# Altium PCB BytePipe_x9002_HDK_Rev2.PcbDoc (part 1 of 5) (continued)
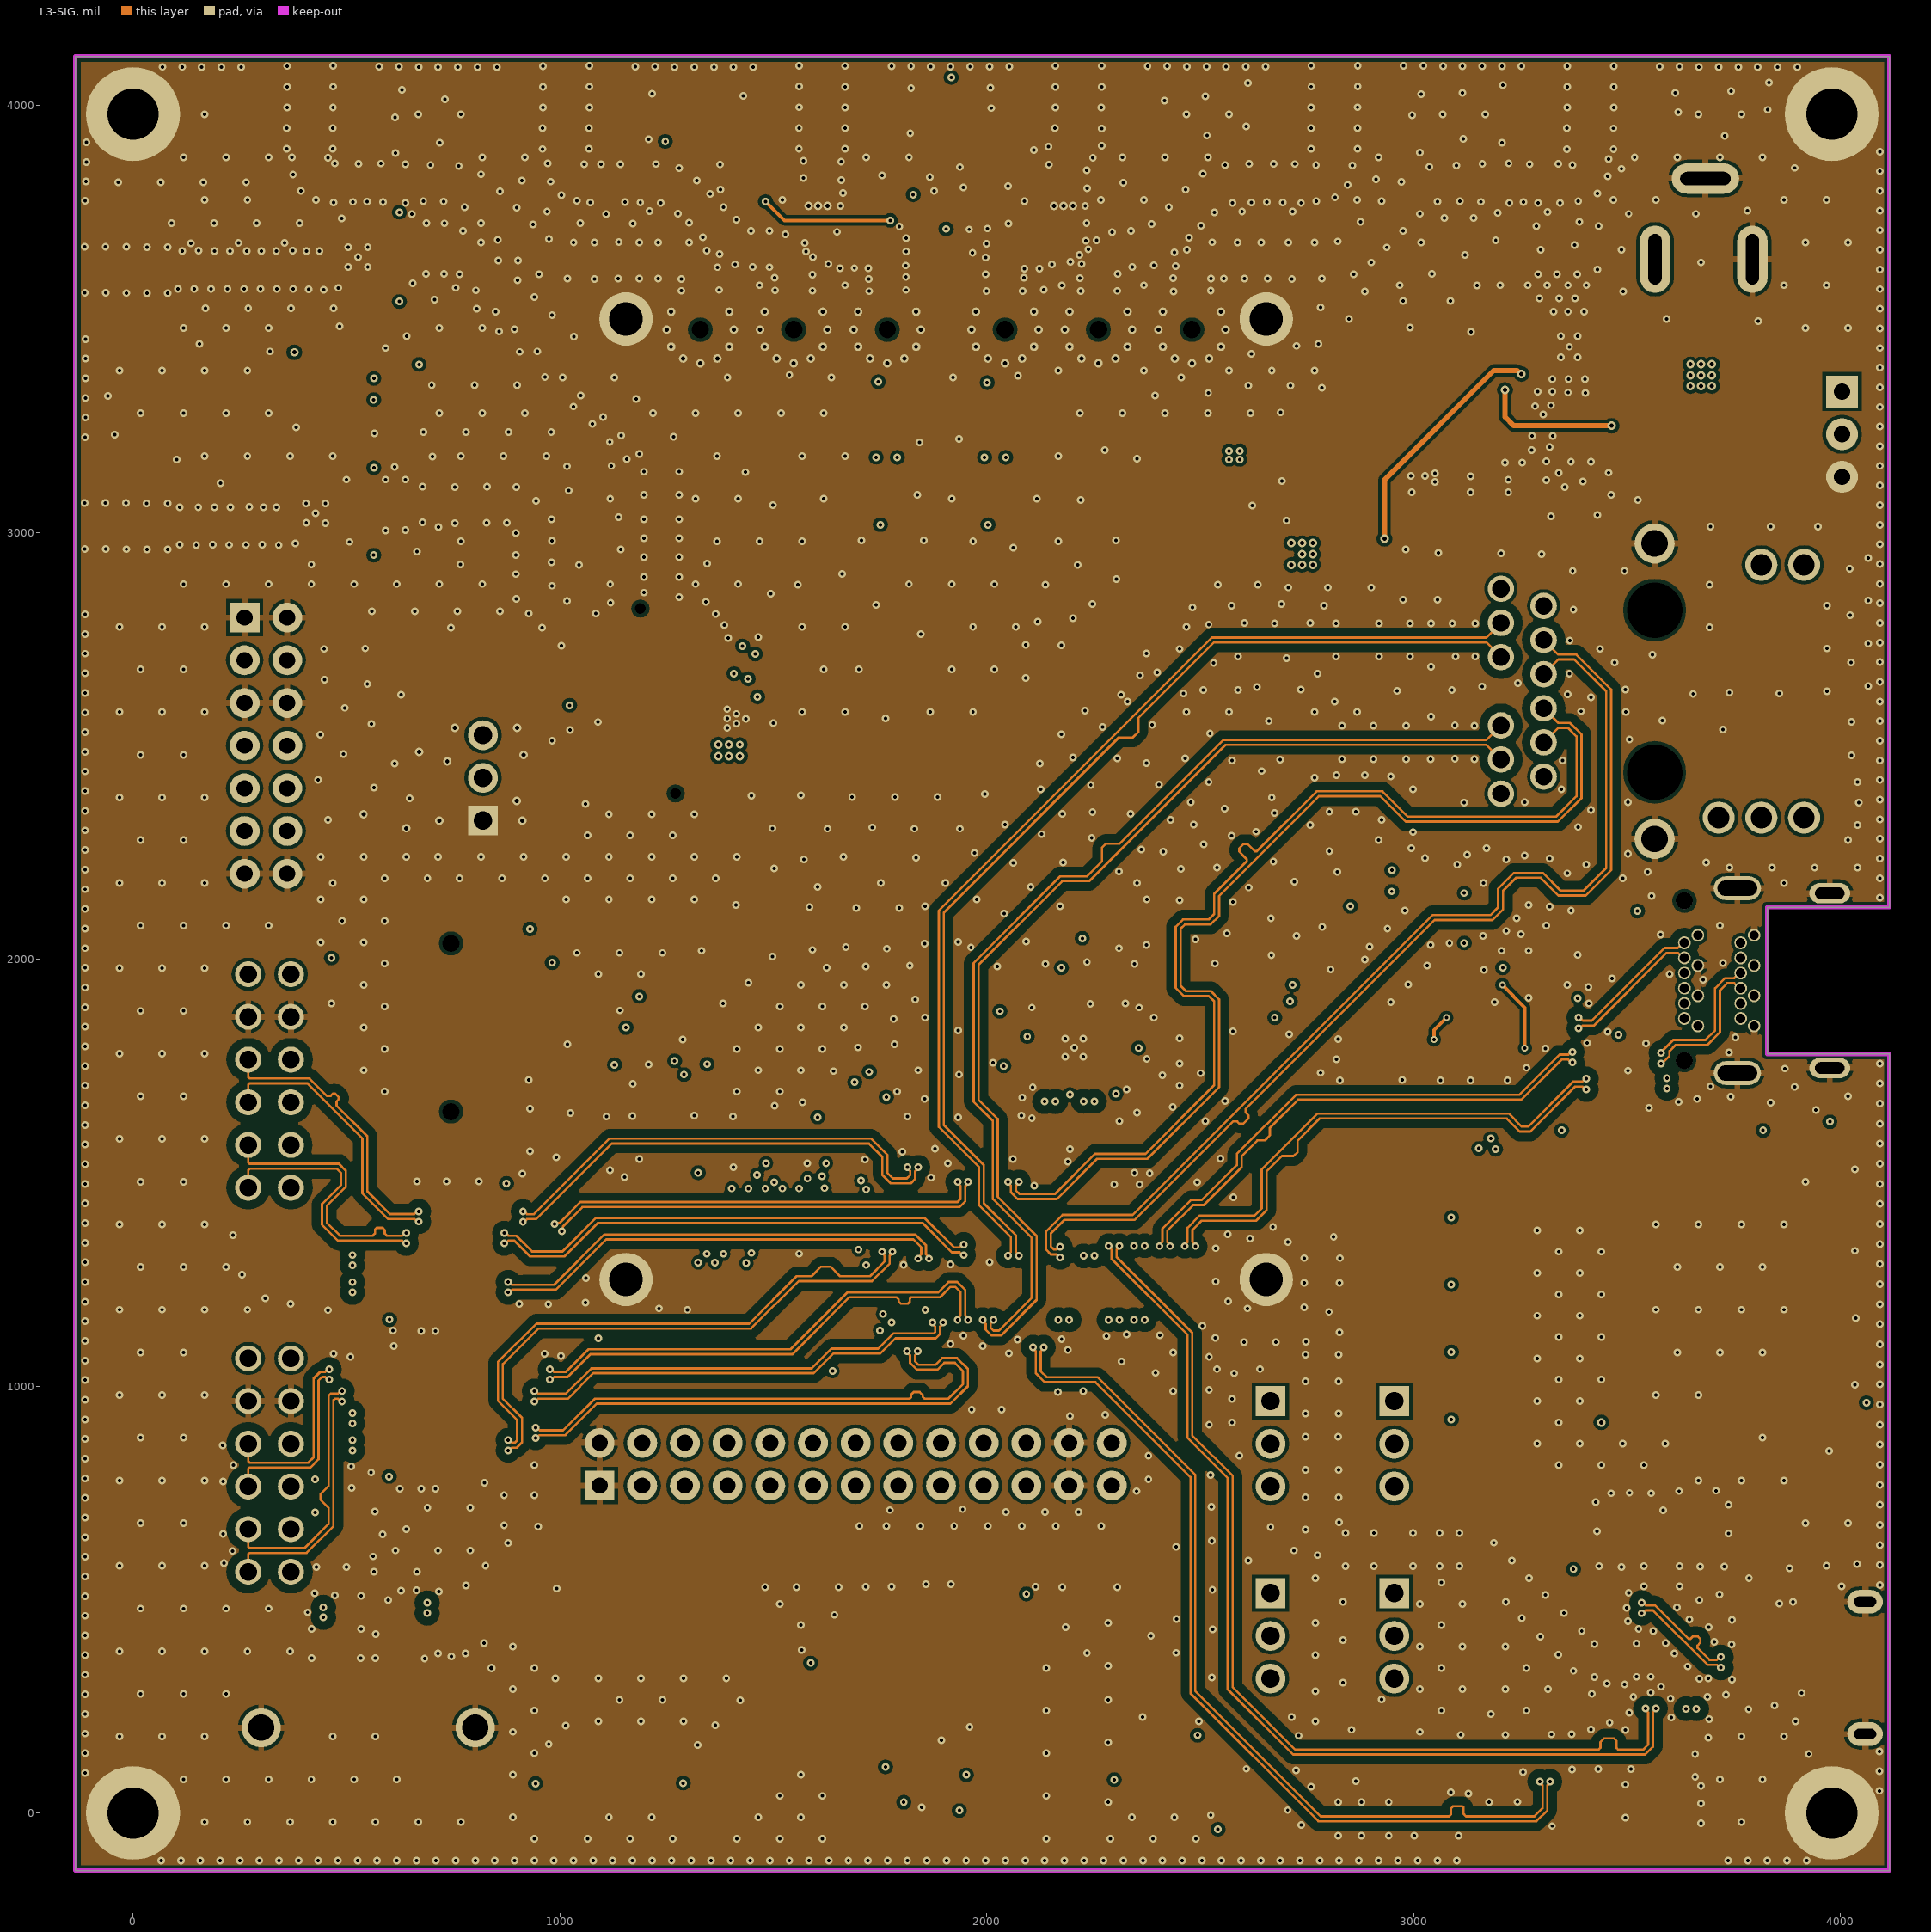
[diagram p3: L3-SIG]
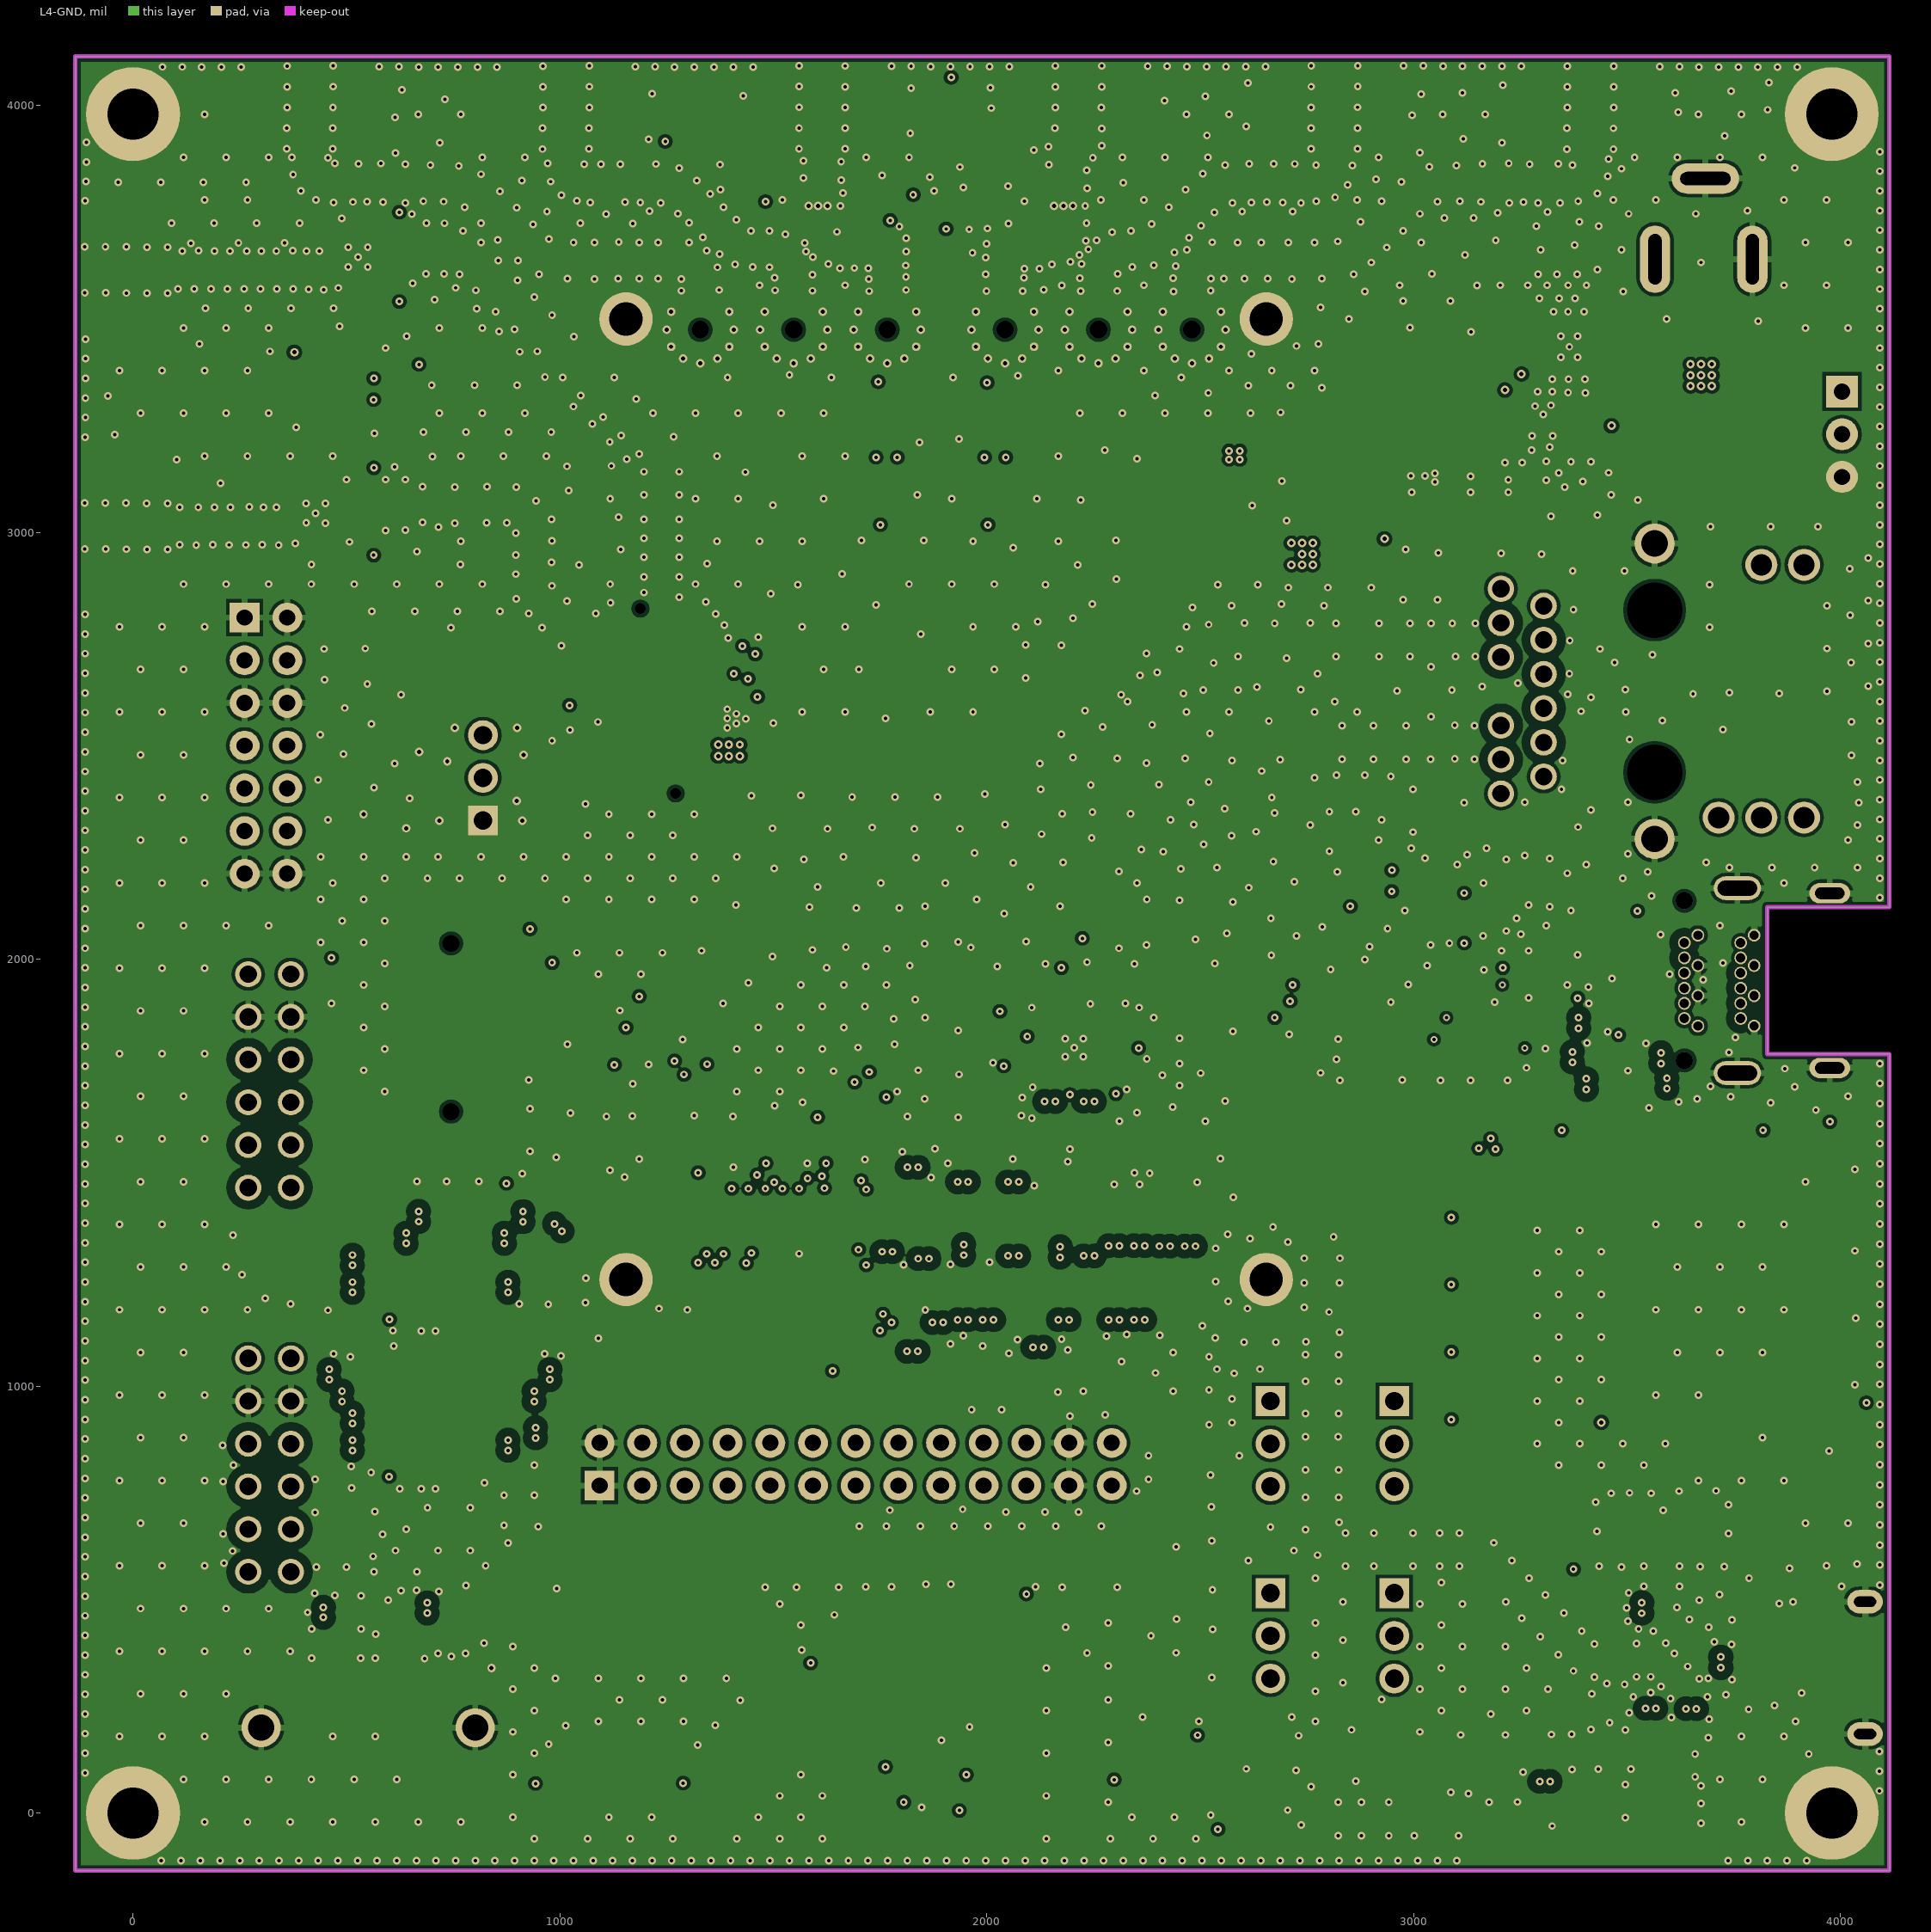
[diagram p4: L4-GND]
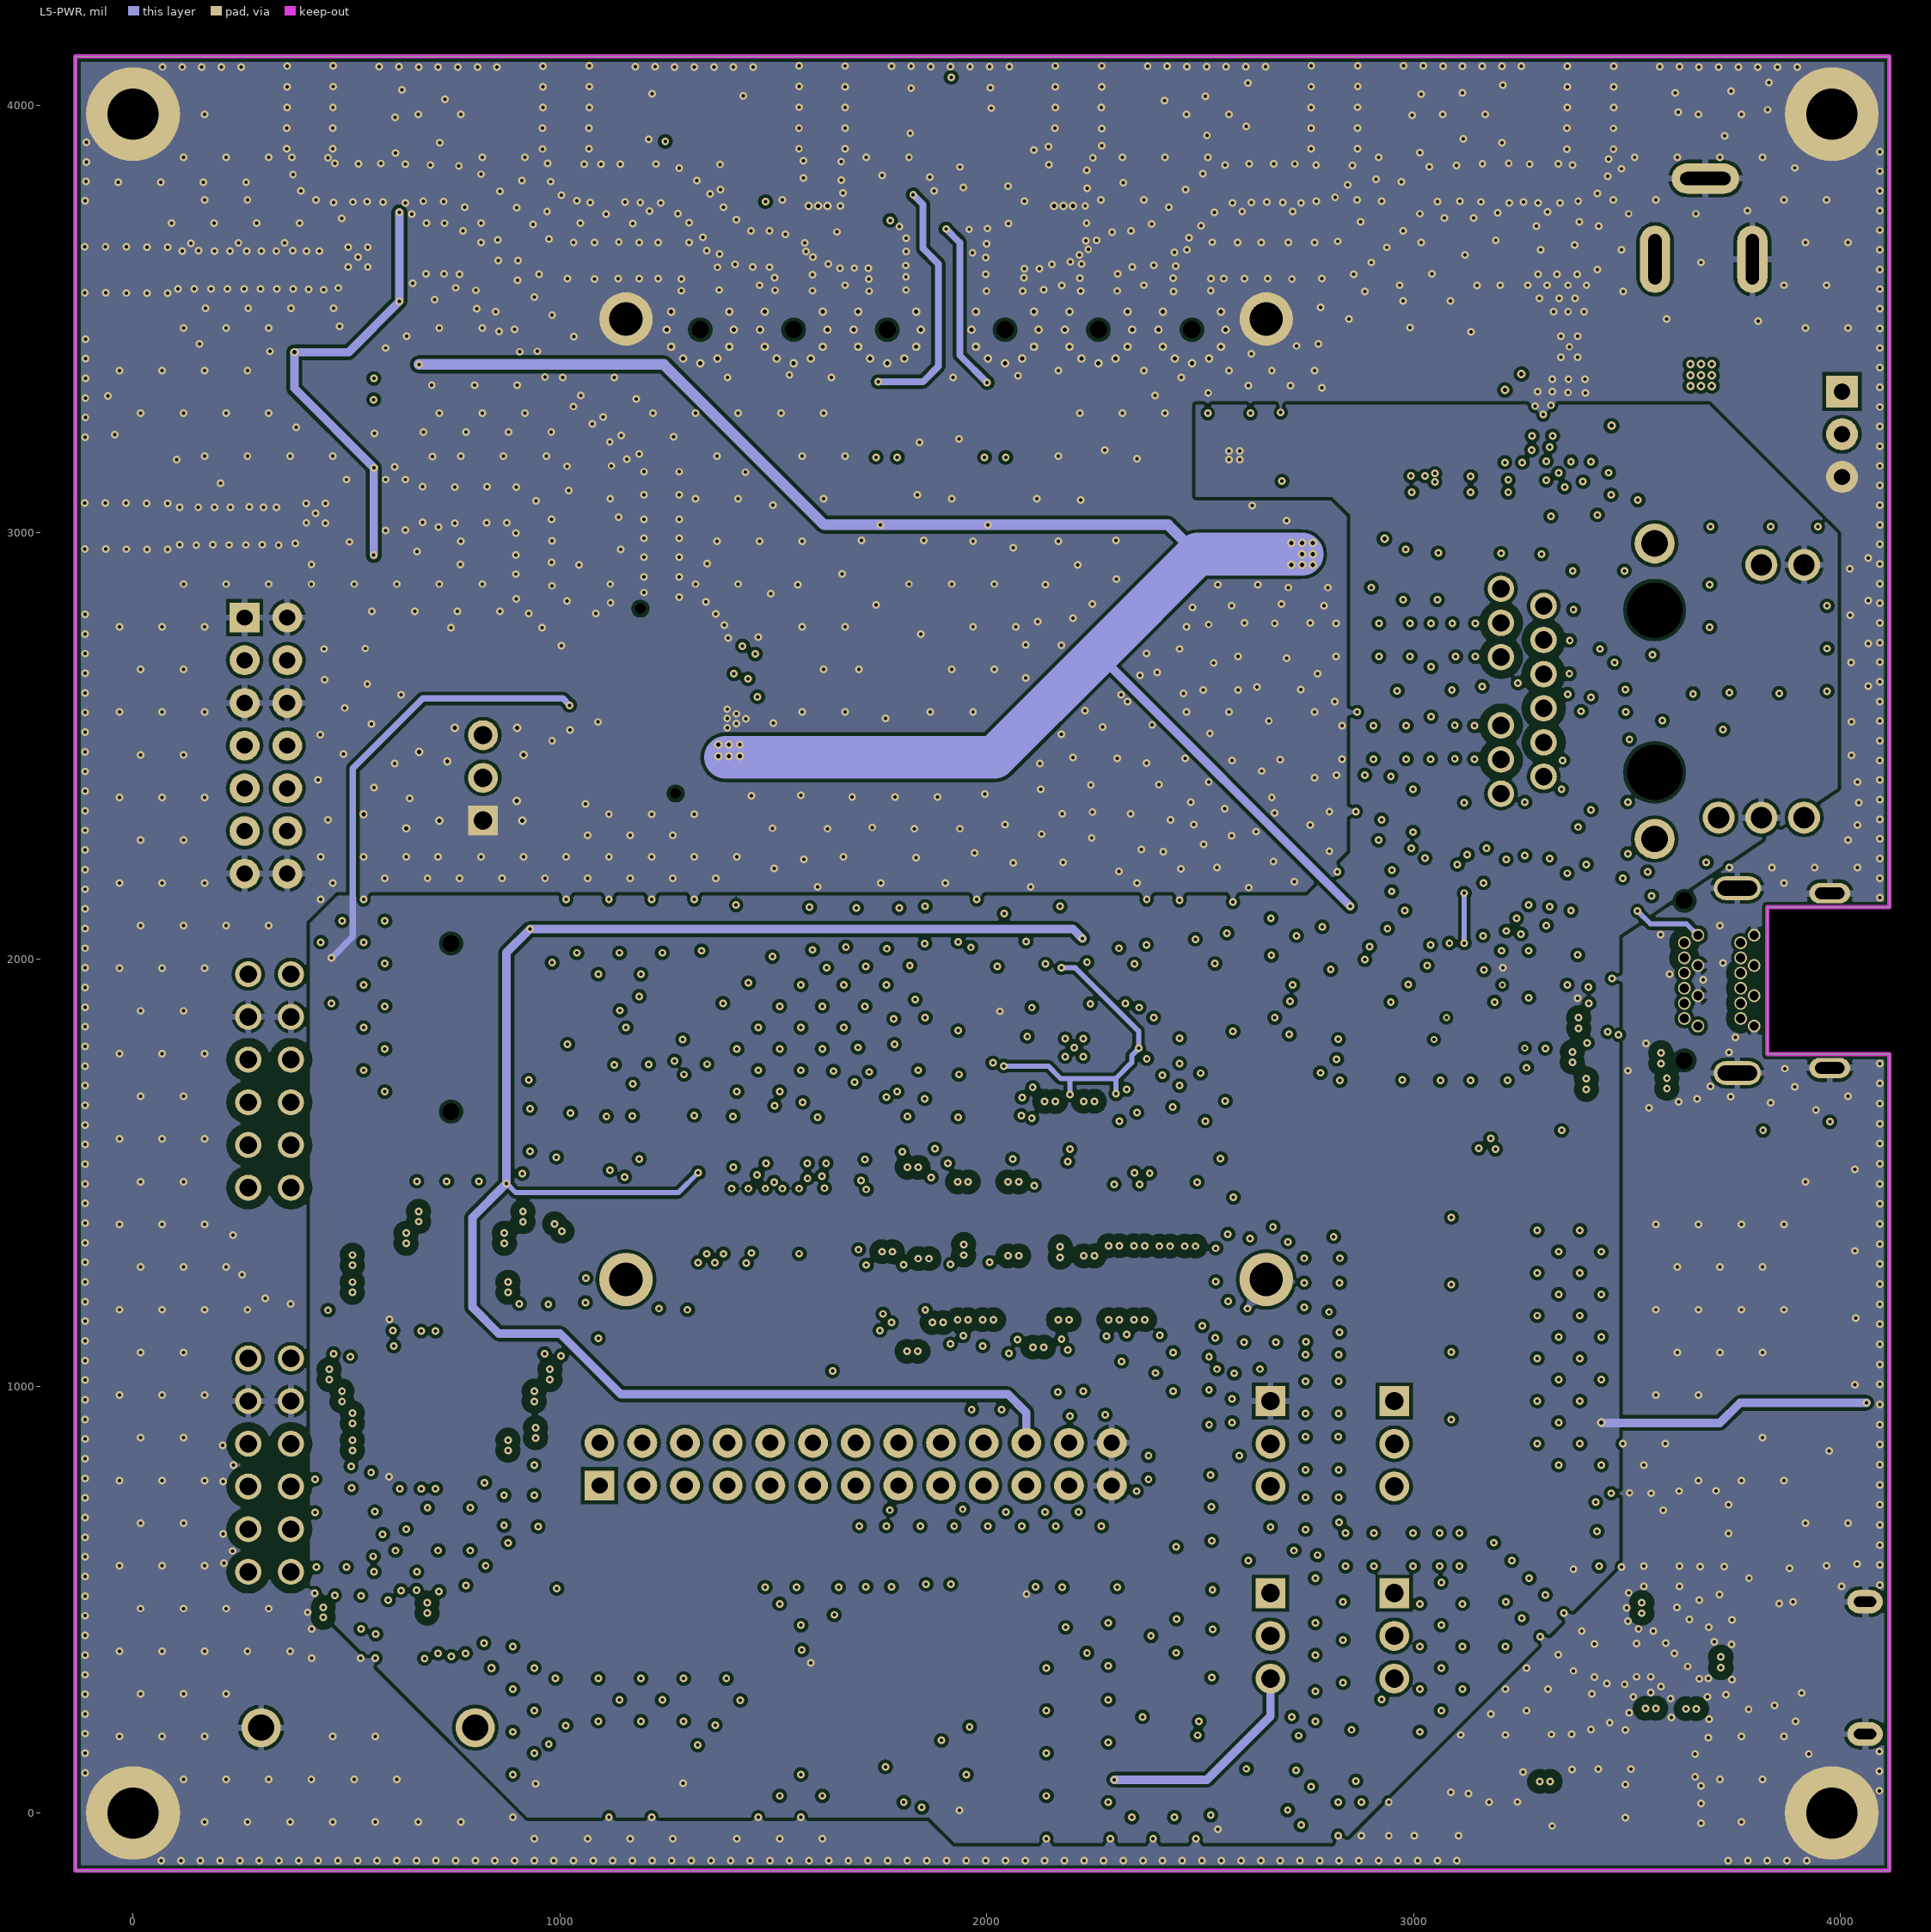
[diagram p5: L5-PWR]
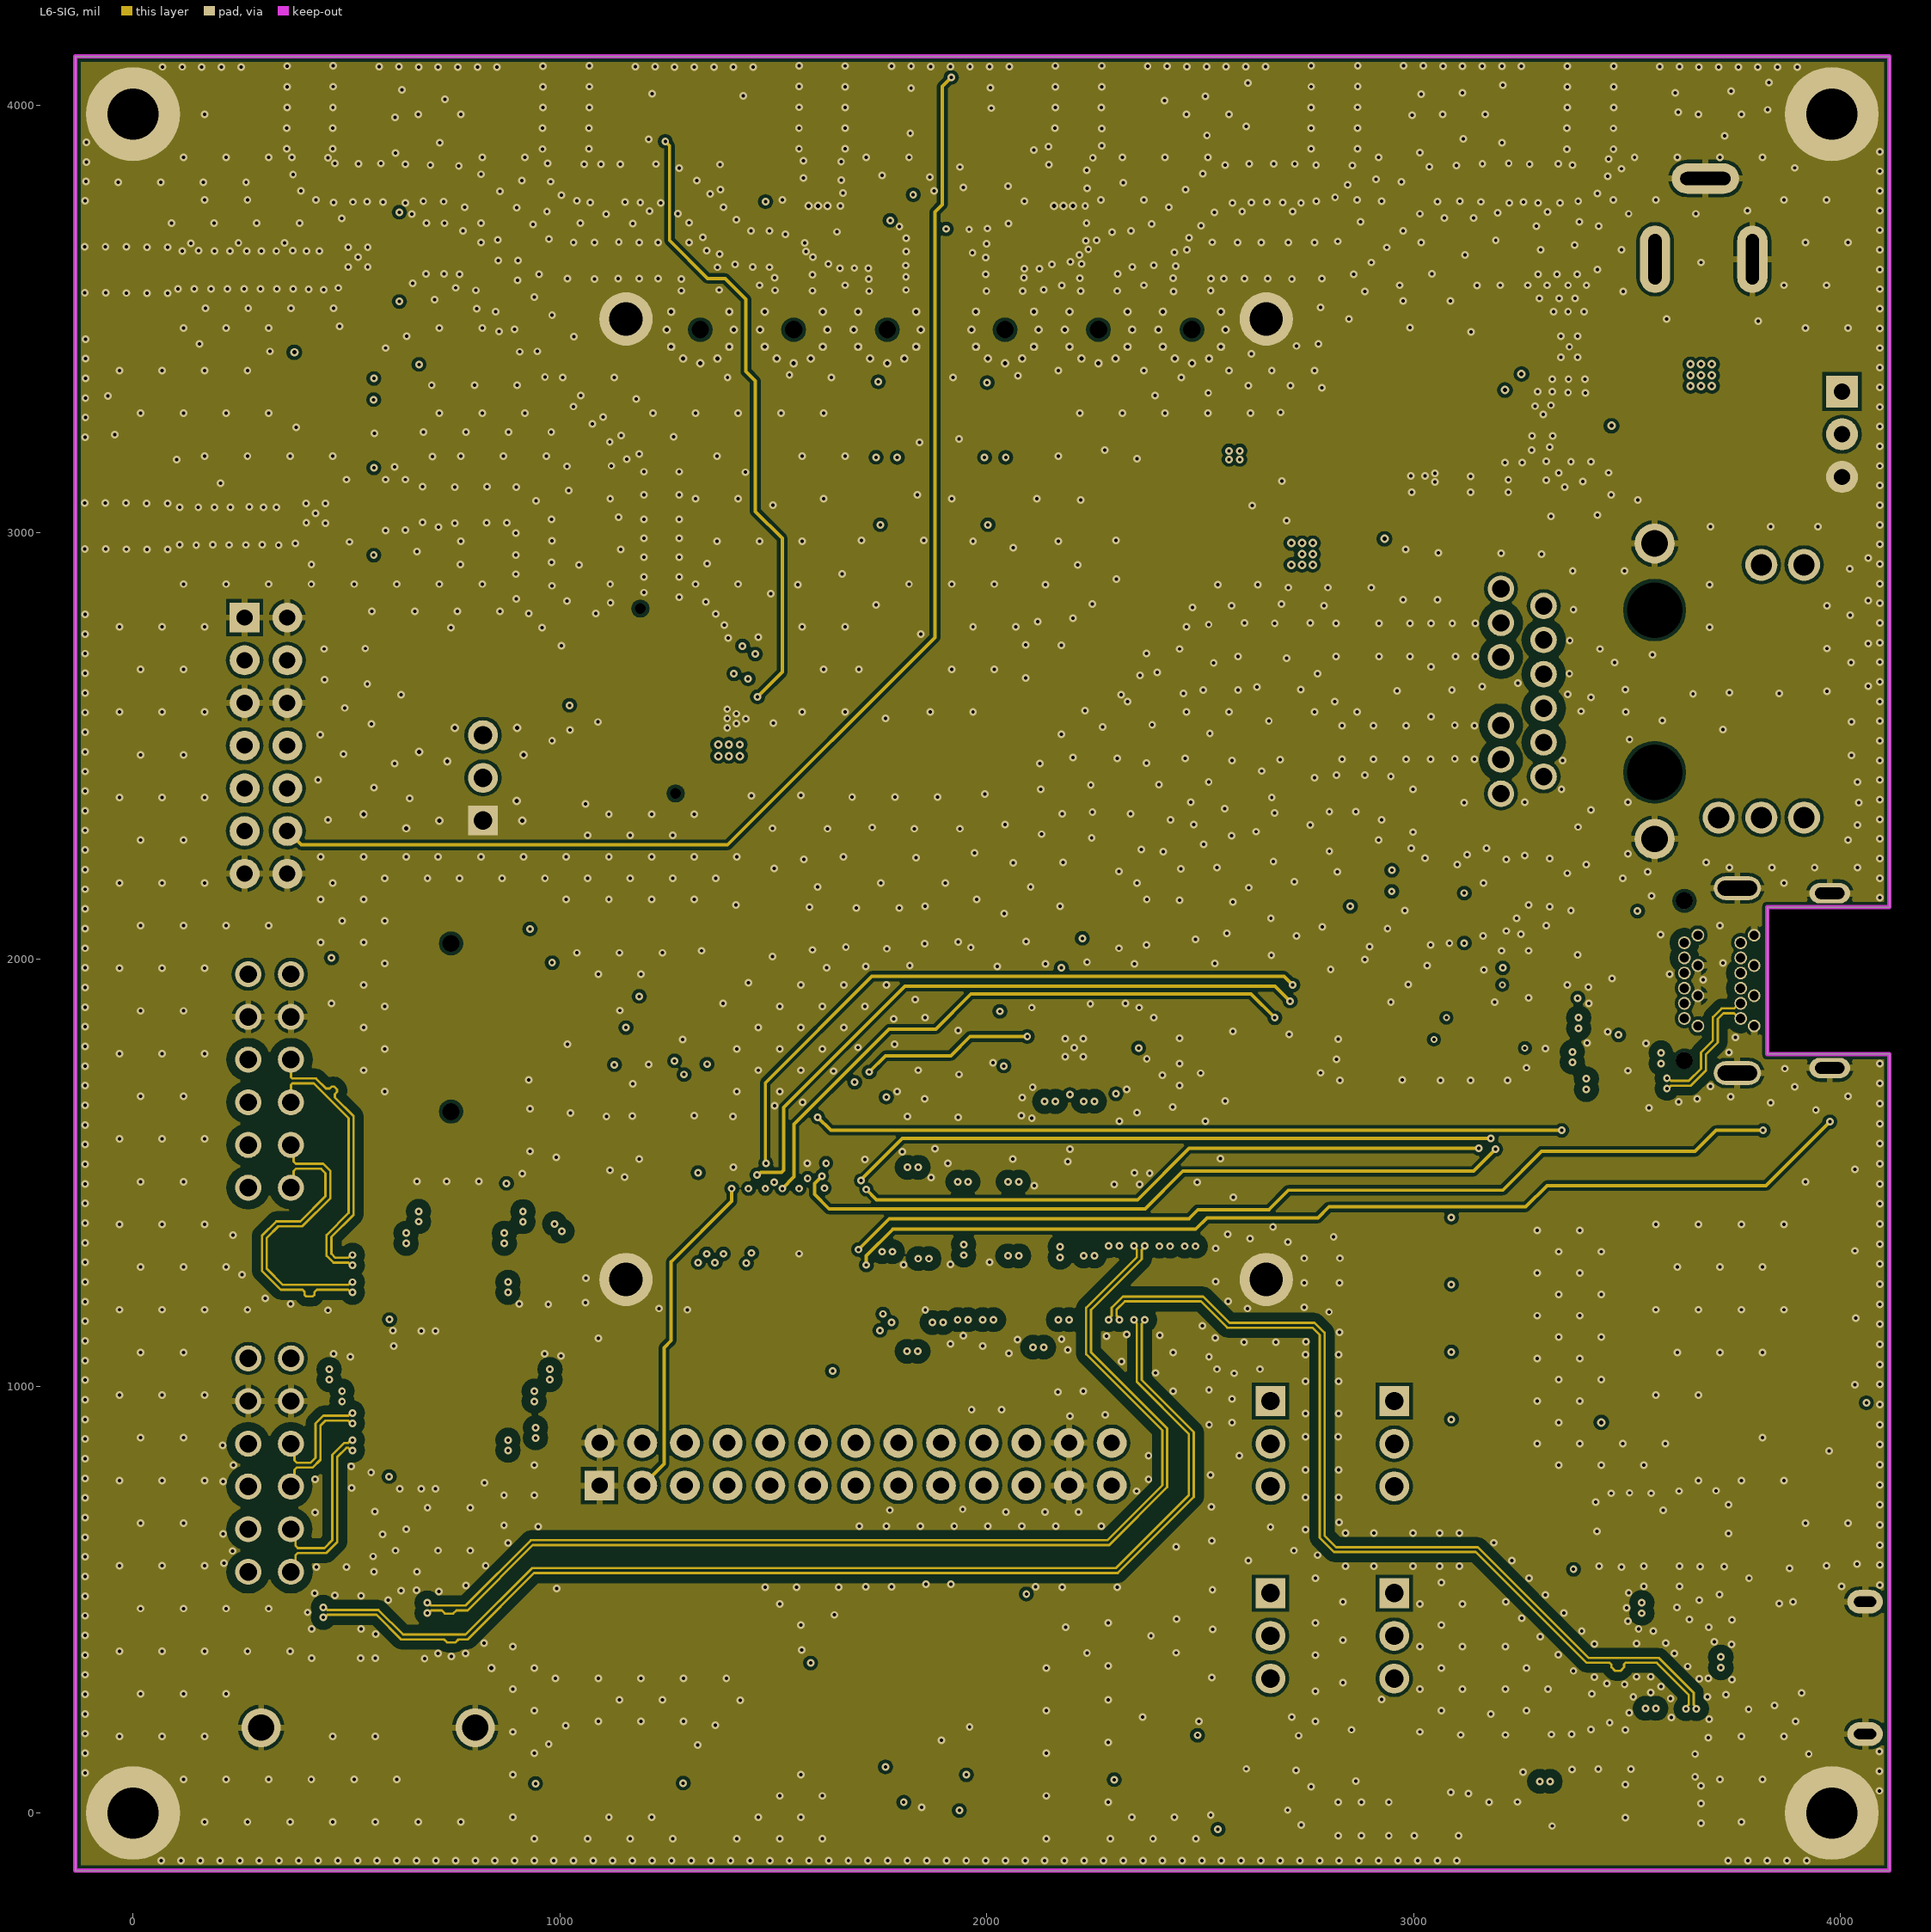
[diagram p6: L6-SIG]